# Altium PCB Grandmaster.PcbDoc (part 1 of 3) (continued)
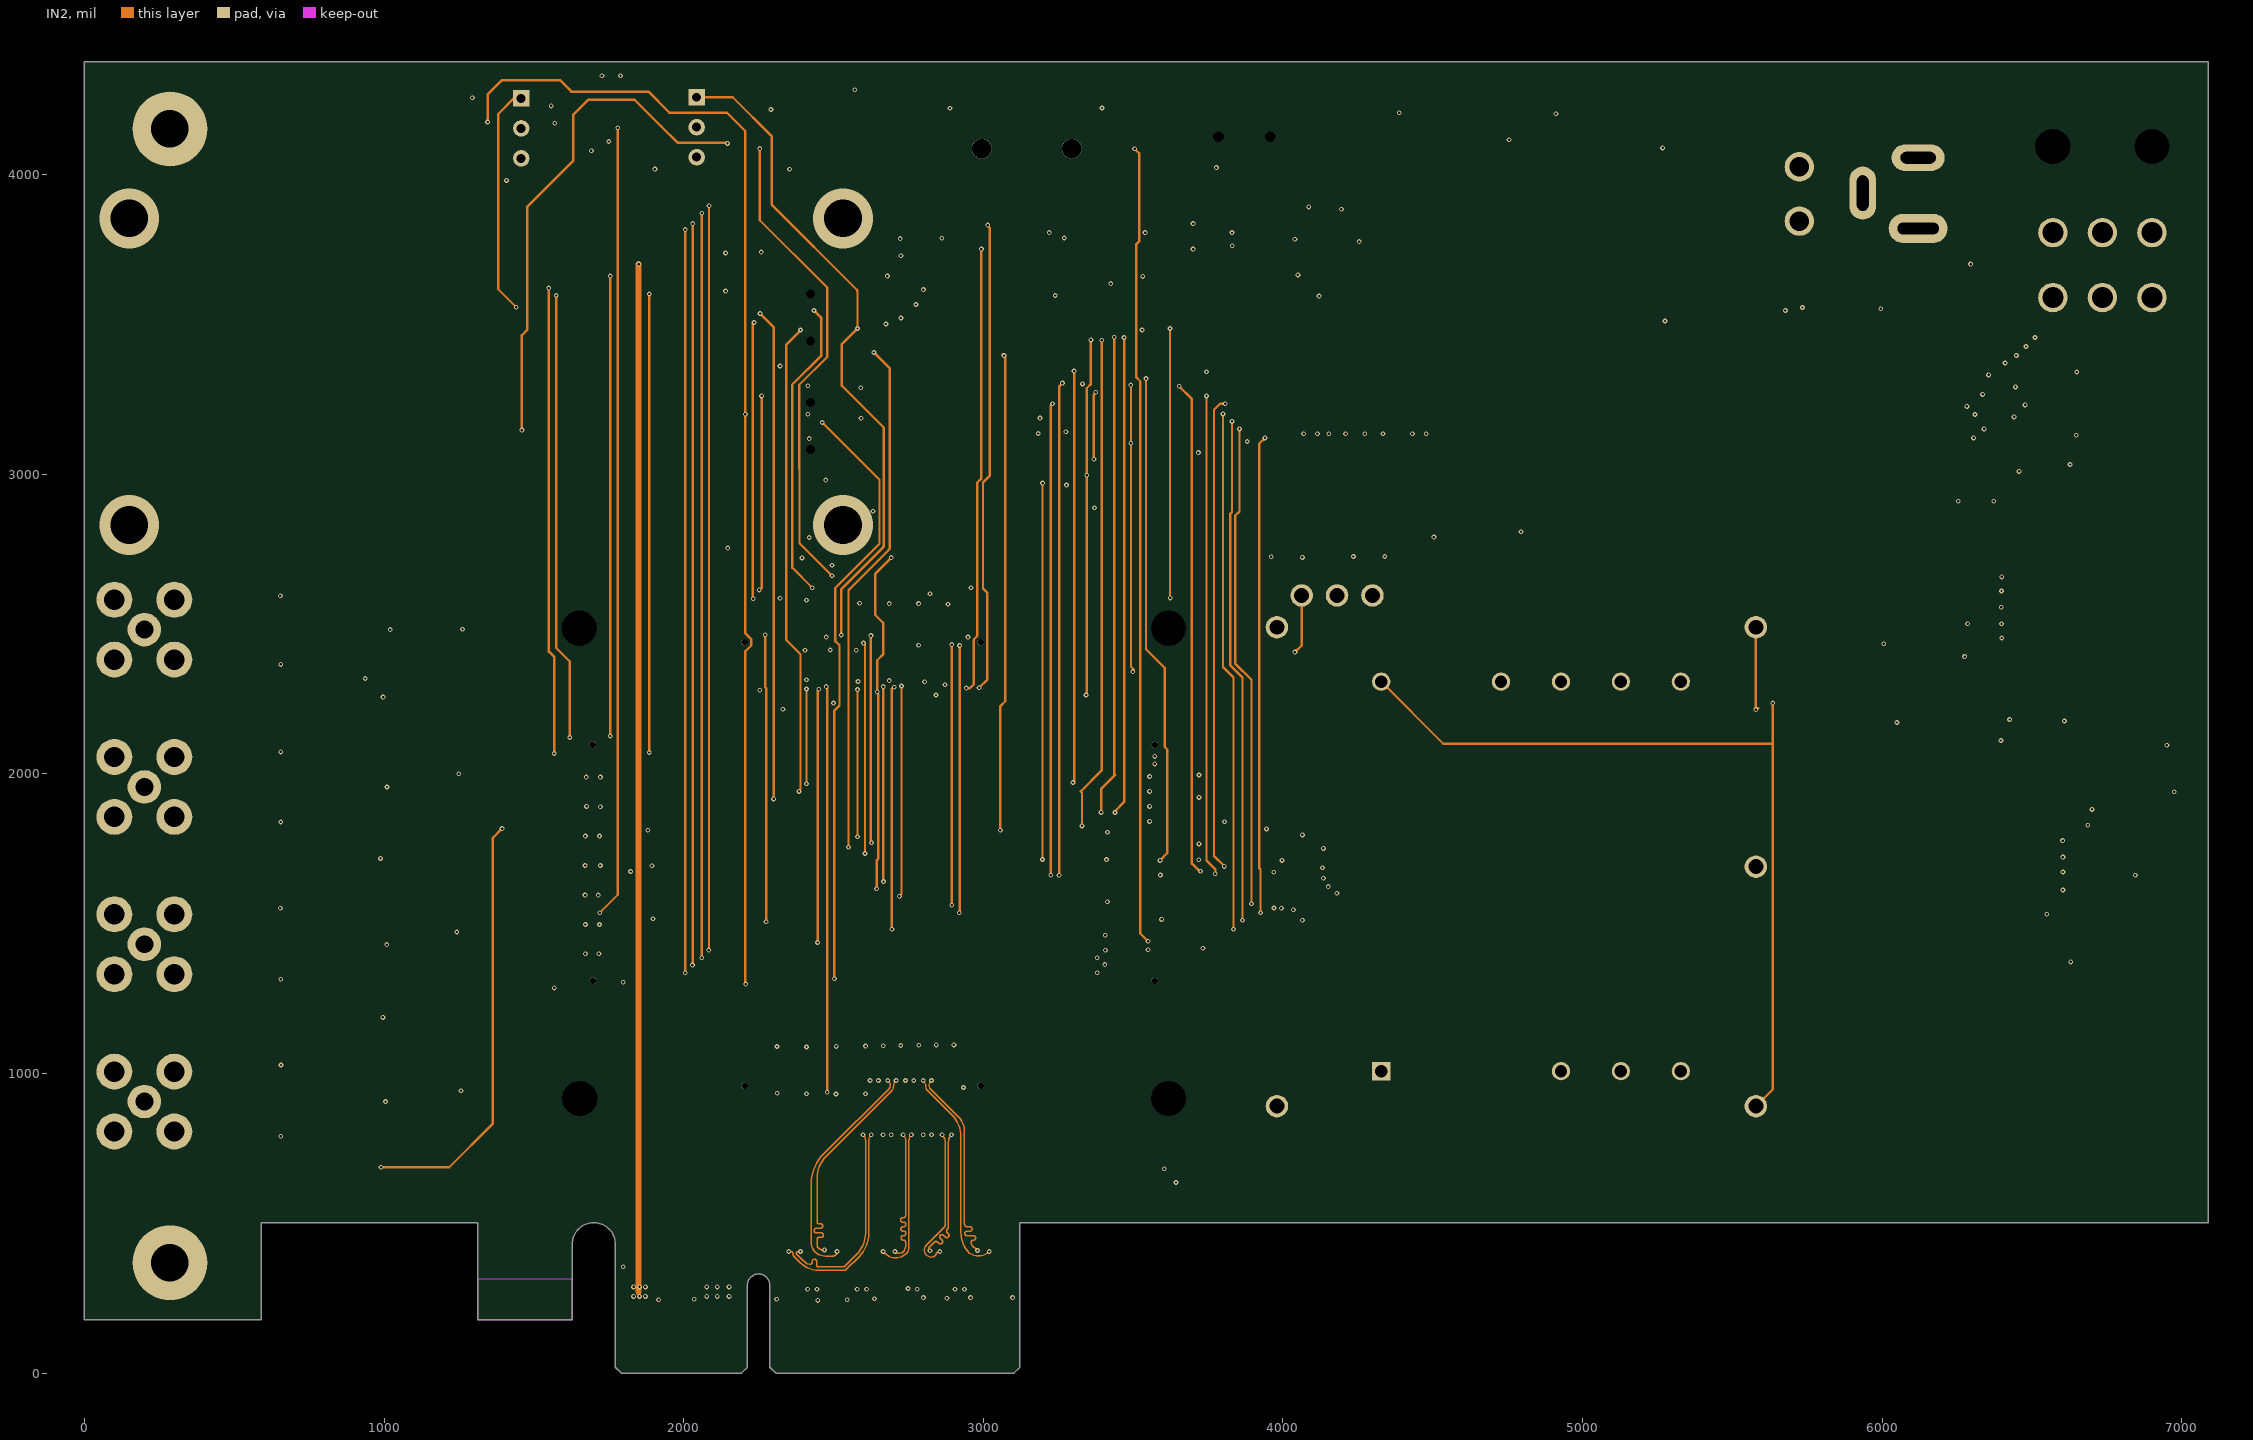
[diagram p4: IN2]
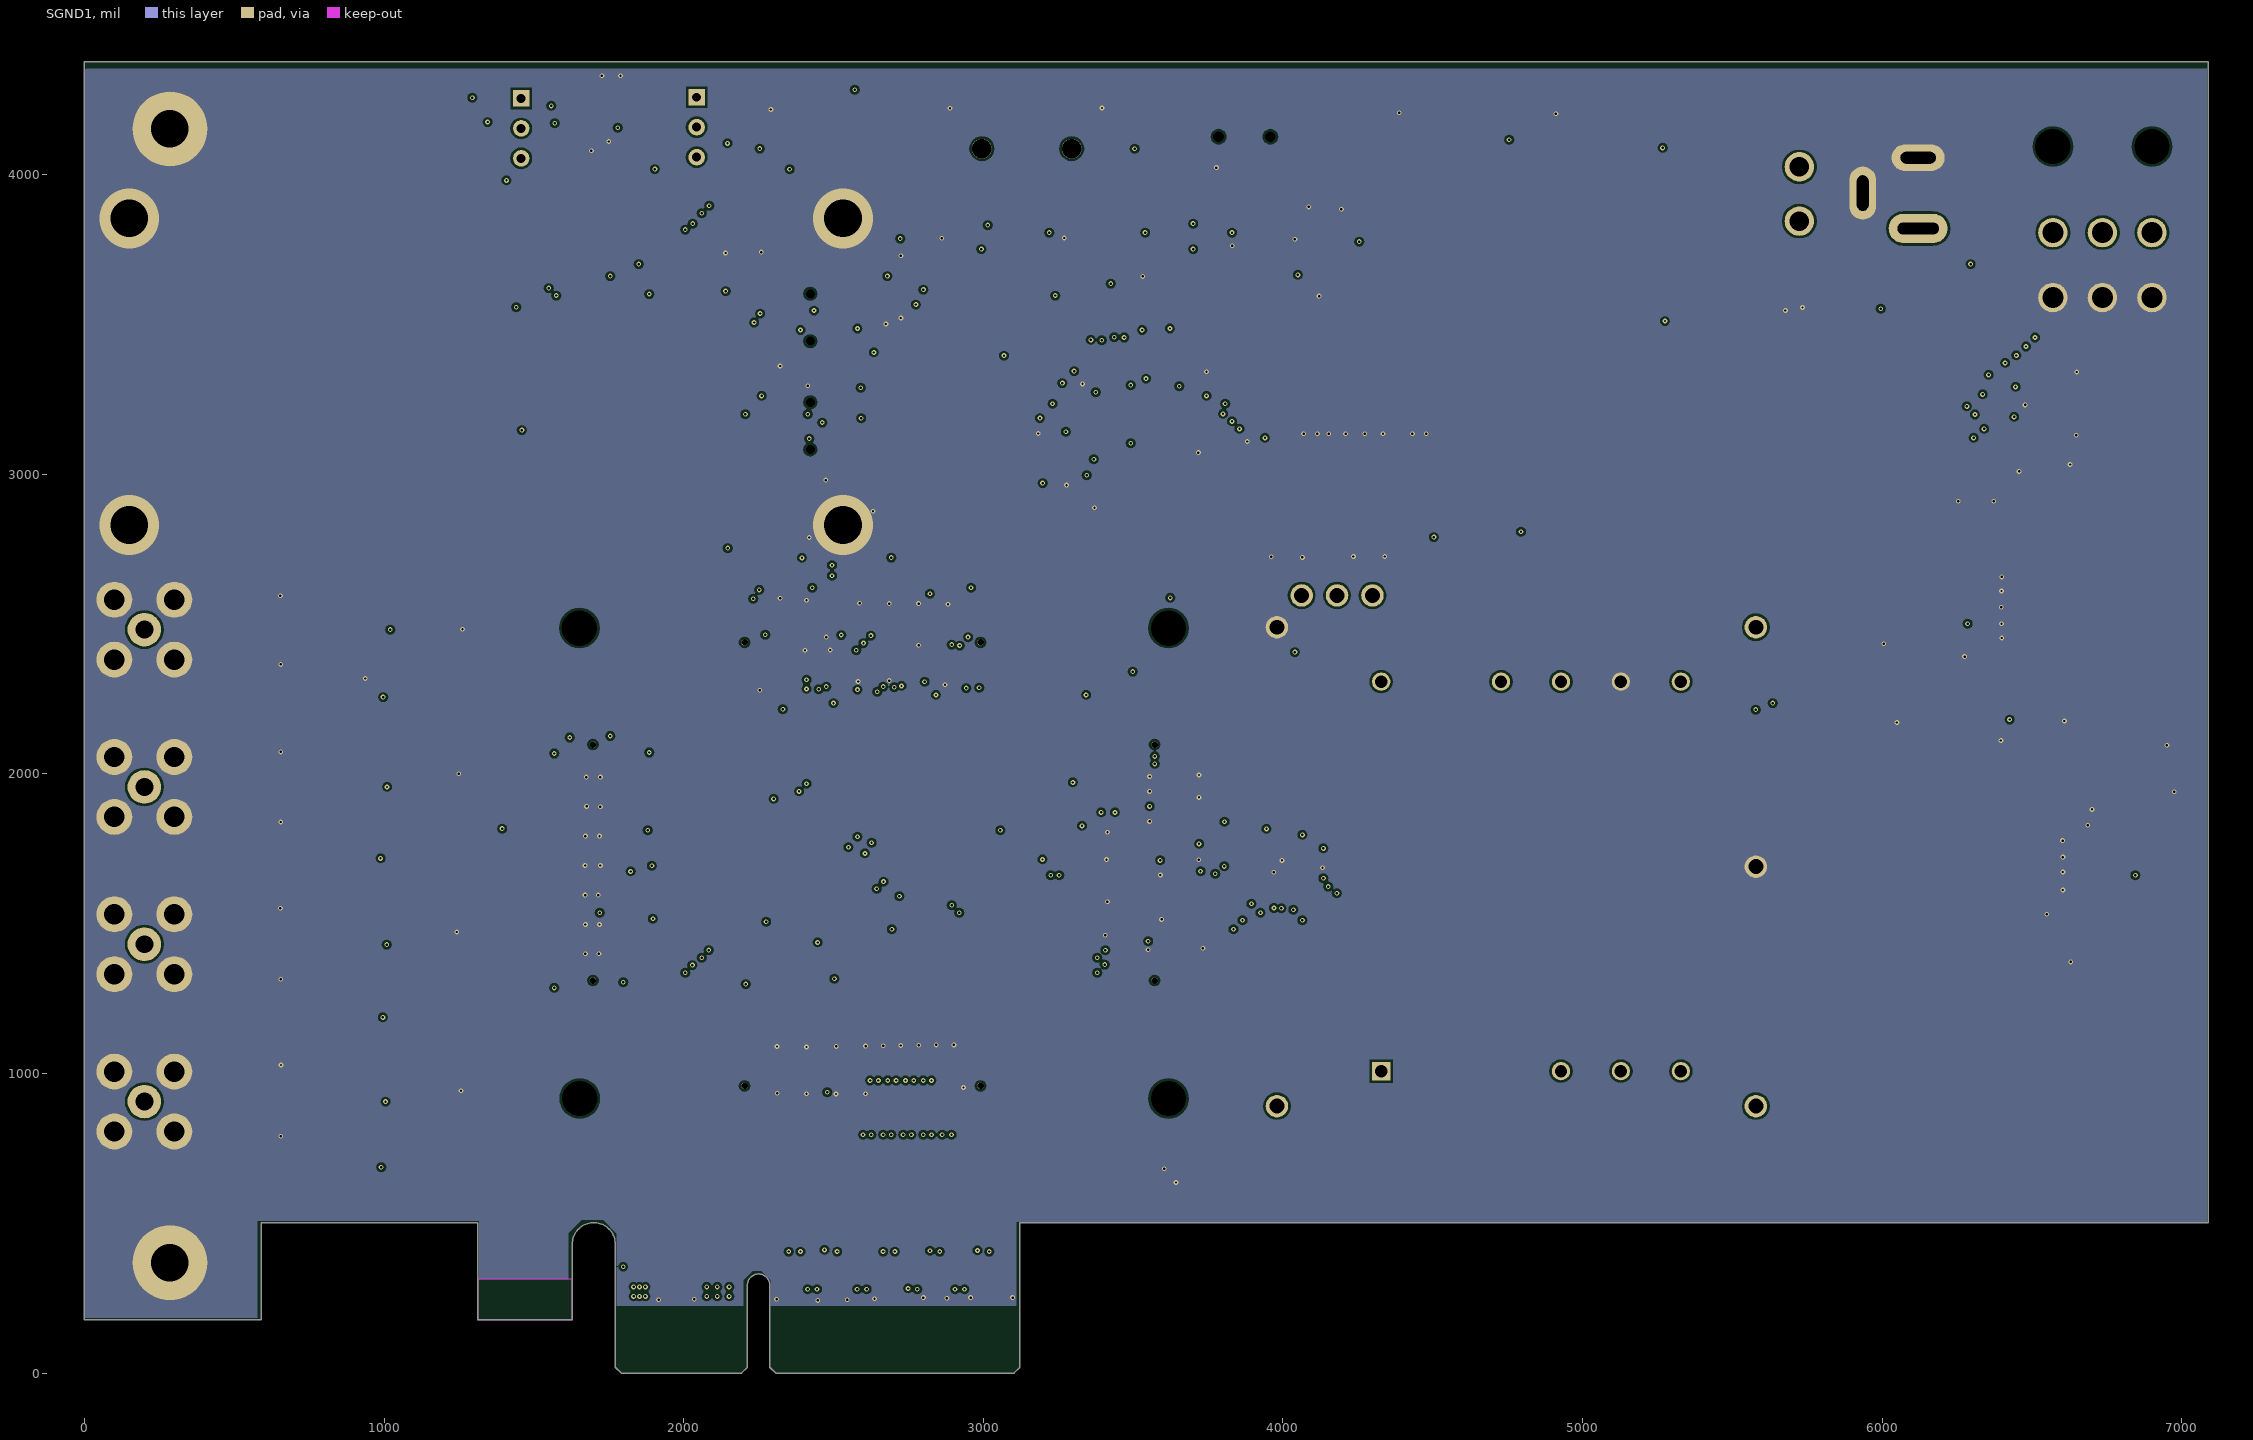
[diagram p5: SGND1]

## Layer stack, top to bottom
Top Solder: solder mask 0.4, Solder Resist, Dk 3.5
TOP: signal copper 1.2
Dielectric 1: core 8, FR-4, Dk 4.5
SGND: signal copper 1.2
Dielectric2: core 8, FR-4, Dk 4.5
IN1: signal copper 1.2
Dielectric3: core 8, FR-4, Dk 4.5
IN2: signal copper 1.2
Dielectric4: core 8, FR-4, Dk 4.5
SGND1: signal copper 1.2
Dielectric5: core 8, FR-4, Dk 4.5
BOTTOM: signal copper 1.2
Bottom Solder: solder mask 0.4, Solder Resist, Dk 3.5

## Board outline
590.55,177.17 590.55,501.97 1312.99,501.97 1312.99,177.17 1627.95,177.17 1627.95,430.12 cw(c1699.8,430.12) 1771.65,430.12 1771.65,19.69 1791.34,0 2192.91,0 2212.6,19.69 2212.6,293.31 cw(c2250,293.31) 2287.4,293.31 2287.4,19.69 2307.09,0 3102.36,0 3122.05,19.69 3122.05,501.97 7087.6,501.97 7087.6,4375.98 0,4375.98 0,177.17

## Design rules (kind name [scope] priority, off if disabled: settings)
Clearance Clearance_1 [OnLayer('Keep-Out Layer')] p1: gap=0 ignorepadtopadclearanceinfootprint=TRUE
Clearance [All] p2: gap=8 ignorepadtopadclearanceinfootprint=TRUE except(5: Arc-Arc Arc-Track Track-Track)
DiffPairsRouting [All] p1: maxlimit=100 minlimit=5 mostfreqgap=6 toplayer_minwidth=5 toplayer_maxwidth=5 toplayer_prefwidth=5 midlayer1_minwidth=5 midlayer1_maxwidth=5 midlayer1_prefwidth=5 midlayer2_minwidth=5 midlayer2_maxwidth=5 midlayer2_prefwidth=5 midlayer3_minwidth=5 midlayer3_maxwidth=5 midlayer3_prefwidth=5 midlayer4_minwidth=5 midlayer4_maxwidth=5 midlayer4_prefwidth=5 bottomlayer_minwidth=5 bottomlayer_maxwidth=5 bottomlayer_prefwidth=5 maxuncoupledlength=500
HoleSize [All] p1: absolutevalues=TRUE maxlimit=1000 minlimit=1 maxpercent=80.000 minpercent=20.000
MatchedLengths MatchedLengths_2 [InDifferentialPairClass('All Differential Pairs')] p1: tolerance=5 checknetsindiffpair=TRUE checkdiffpairvsdiffpair=FALSE checkxsignals=FALSE checkothers=FALSE
MatchedLengths MatchedLengths_1 [InDifferentialPair('PCIE_TX0')] p2: tolerance=100 checknetsindiffpair=FALSE checkdiffpairvsdiffpair=TRUE checkxsignals=TRUE checkothers=TRUE
MatchedLengths [InDifferentialPair('FPGA_CLK')] p3: tolerance=100 checknetsindiffpair=FALSE checkdiffpairvsdiffpair=TRUE checkxsignals=TRUE checkothers=TRUE
MinimumSolderMaskSliver [All] p1 off: minsoldermaskwidth=1
PolygonConnect [All] p1: connectstyle=Direct reliefconductorwidth=10 reliefentries=4 polygonreliefangle="90 Angle" airgapwidth=8
RoutingVias [All] p1: holewidth=8 width=16 viastyle="Through Hole" minholewidth=5 minwidth=12 maxholewidth=28 maxwidth=50
SilkToSolderMaskClearance [IsPad] p1 off: minsilkscreentomaskgap=10 clearancetoexposedcopper=TRUE
SolderMaskExpansion [All] p1: expansion=4 istentingtop=FALSE
Width [All] p1: maxlimit=40 minlimit=3 preferedwidth=8
26 further rules are at their usual default settings.

## Classes and differential pairs
component class PCIe-JTAG: C44 C45 C46 C47 C48 C49 C50 C51 C52 C53 D5 D6 D7 D8 P2 R18 R19 R20 R21 R22 R23 R24 U5
component class GPS-IMU: C56 C57 C58 C59 C60 C61 C85 C86 C87 C88 C89 C90 C91 C92 IC? J4 JP1 JP2 R10 R11 R12 R13 R43 U8 U9 U16 X1
component class FPGA: P1
component class MAC: BT1 C62 C63 C65 C66 C67 C72 C73 C74 C75 C76 C77 C78 C79 C80 C81 C82 C83 C84 FB2 FB3 R17 R42 U3 U10 U10AL U11 U13
component class UART: AN1 AN2 AN3 AN4 AN5 AN6 AN7 AN8 C54 C55 D9 D10 D11 D12 D13 D14 D15 D16 D17 D18 J3 R14 R15 R16 R25 R26 R27 R28 R29 R30 R31 R32 R33 R34 R35 R36 S5 S6 U6
component class "Power Supplies": C1 C2 C3 C4 C5 C6 C7 C8 C9 C10 C11 C12 C13 C14 C15 C16 C17 C18 C19 C20 C21 C22 D1 D2 D3 D4 F1 J1 J2 L1 L2 R1 R2 R3 R4 R5 R6 R7 R8 R9 SW1 U1 U2
differential pair PCIE_TX3: +PCIE_TX3_P -PCIE_TX3_N
differential pair PCIE_TX2: +PCIE_TX2_P -PCIE_TX2_N
differential pair PCIE_TX1: +PCIE_TX1_P -PCIE_TX1_N
differential pair PCIE_TX0: +PCIE_TX0_P -PCIE_TX0_N
differential pair PCIE_RX3: +PCIE_RX3_P -PCIE_RX3_N
differential pair PCIE_RX2: +PCIE_RX2_P -PCIE_RX2_N
differential pair PCIE_RX1: +PCIE_RX1_P -PCIE_RX1_N
differential pair PCIE_RX0: +PCIE_RX0_P -PCIE_RX0_N
differential pair PCIE_CLK: +PCIE_CLK_P -PCIE_CLK_N

## Components (designator, comment, footprint, x,y, rotation, side; value= is the part's Value field where it differs from the comment)
AN1 "RF-901-143-6FRX" AMPHENOL-901-143-6RFX 199.84,2481.06 r180 top value=SMA
AN2 "RF-901-143-6FRX" AMPHENOL-901-143-6RFX 199.84,1956.06 r180 top value=SMA
AN3 "RF-901-143-6FRX" AMPHENOL-901-143-6RFX 199.84,1431.06 r180 top value=SMA
AN4 "RF-901-143-6FRX" AMPHENOL-901-143-6RFX 199.84,906.06 r180 top value=SMA
AN5 "1909763-1" "U.FL UMCC JACK" 654.84,1956.06 r270 top value=UMCC
AN6 "1909763-1" "U.FL UMCC JACK" 654.84,2481.06 r270 top value=UMCC
AN7 "1909763-1" "U.FL UMCC JACK" 654.84,1431.06 r270 top value=UMCC
AN8 "1909763-1" "U.FL UMCC JACK" 654.84,906.06 r270 top value=UMCC
BT1 "BU2032SM-BT-GTR" FP-BU2032SM-BT-GTR-MFG 4909.45,3384.84 r90 top
C1 "CAP_0805_10UF_25V" CAPC2012X14N 5776.57,3361.22 r180 top value=10uF
C2 "CAP_0402_0.1UF_50V" CAPC1005X06N 5651.38,3359.25 r0 top value=0.1UF
C3 "CAP_0603_0.01UF_50V" CAPC1608X10N 6469.84,2271.06 r90 top value=0.01uF
C4 "CAP_0603_0.01UF_50V" CAPC1608X10N 6519.84,1986.06 r270 top value=0.01uF
C5 "CAP_0805_10UF_25V" CAPC2012X14N 6334.84,2146.06 r270 top value=10uF
C6 "CAP_0805_10UF_25V" CAPC2012X14N 6659.84,2131.06 r90 top value=10uF
C7 "CAP_0805_10UF_25V" CAPC2012X14N 6253.94,2791.34 r90 top value=10uF
C8 "CAP_0805_10UF_25V" CAPC2012X14N 6372.05,2791.34 r90 top value=10uF
C9 "CAP_0402_0.1UF_50V" CAPC1005X06N 6344.84,2656.06 r0 top value=0.1UF
C10 "CAP_0402_0.1UF_50V" CAPC1005X06N 6344.84,2501.06 r0 top value=0.1UF
C11 "CAP_0402_0.1UF_50V" CAPC1005X06N 6344.84,2556.06 r0 top value=0.1UF
C12 "CAP_0402_0.1UF_50V" CAPC1005X06N 6344.84,2611.06 r0 top value=0.1UF
C13 "CAP_0805_10UF_25V" CAPC2012X14N 6664.84,1421.06 r180 top value=10uF
C14 "CAP_0805_10UF_25V" CAPC2012X14N 6664.84,1531.06 r180 top value=10uF
C15 "CAP_0402_0.1UF_50V" CAPC1005X06N 6659.84,1611.06 r180 top value=0.1UF
C16 "CAP_0402_0.1UF_50V" CAPC1005X06N 6659.84,1671.06 r180 top value=0.1UF
C17 "CAP_0402_0.1UF_50V" CAPC1005X06N 6659.84,1721.06 r180 top value=0.1UF
C18 "CAP_0402_0.1UF_50V" CAPC1005X06N 6659.84,1776.06 r180 top value=0.1UF
C19 "CAP_0603_0.1UF_50V" CAPC1608X10N 6874.84,2096.06 r180 top value=0.1uF
C20 "CGA2B3X5R1H333K050BB" CAPC1005X06N 6939.84,1906.06 r270 top value=0.033UF
C21 "CAP_0603_0.1UF_50V" CAPC1608X10N 6124.84,2171.06 r0 top value=0.1uF
C22 "CGA2B3X5R1H333K050BB" CAPC1005X06N 6064.84,2361.06 r90 top value=0.033UF
C44 "CAP_0402_0.1UF_50V" CAPC1005X06N 2349.84,346.06 r90 bottom value=0.1UF
C45 "CAP_0402_0.1UF_50V" CAPC1005X06N 2389.84,346.06 r90 bottom value=0.1UF
C46 "CAP_0402_0.1UF_50V" CAPC1005X06N 2468.84,346.06 r90 bottom value=0.1UF
C47 "CAP_0402_0.1UF_50V" CAPC1005X06N 2511.84,346.06 r90 bottom value=0.1UF
C48 "CAP_0402_0.1UF_50V" CAPC1005X06N 2664.84,346.06 r90 bottom value=0.1UF
C49 "CAP_0402_0.1UF_50V" CAPC1005X06N 2704.84,346.06 r90 bottom value=0.1UF
C50 "CAP_0402_0.1UF_50V" CAPC1005X06N 2819.84,346.06 r90 bottom value=0.1UF
C51 "CAP_0402_0.1UF_50V" CAPC1005X06N 2854.84,346.06 r90 bottom value=0.1UF
C52 "CAP_0402_0.1UF_50V" CAPC1005X06N 2979.84,346.06 r90 bottom value=0.1UF
C53 "CAP_0402_0.1UF_50V" CAPC1005X06N 3019.84,346.06 r90 bottom value=0.1UF
C54 "CAP_0805_1UF_25V" CAPC2012X14N 4104.84,3806.06 r270 top value=1.0UF
C55 "GRT188R61E106ME13D" CAPC1608X10N 4194.84,3806.06 r270 top value=10.UF
C56 "CAP_0805_10UF_25V" CAPC2012X14N 6474.84,3071.06 r180 top value=10uF
C57 "CAP_0402_0.1UF_50V" CAPC1005X06N 6584.84,3056.06 r270 top value=0.1UF
C58 "CAP_0805_10UF_25V" CAPC2012X14N 2209.84,3681.06 r90 top value=10uF
C59 "CAP_0402_0.1UF_50V" CAPC1005X06N 2139.84,3681.06 r90 top value=0.1UF
C60 "CAP_0805_10UF_25V" CAPC2012X14N 2639.84,3571.06 r270 top value=10uF
C61 "CAP_0402_0.1UF_50V" CAPC1005X06N 2724.84,3576.06 r270 top value=0.1UF
C62 "CAP_0805_10UF_25V" CAPC2012X14N 3694.84,726.06 r180 top value=10uF
C63 "CAP_0402_0.1UF_50V" CAPC1005X06N 3699.84,636.06 r180 top value=0.1UF
C65 "CAP_0805_1UF_50V" CAPC2012X14N 3693.84,3153.06 r90 top value=1.0UF
C66 "CAP_0402_0.1UF_50V" CAPC1005X06N 3769.84,3218.06 r90 top value=0.1UF
C67 "CAP_0603_0.01UF_50V" CAPC1608X10N 3688.84,3298.06 r270 top value=0.01uF
C72 "CAP_0805_22UF_16V" CAPC2012X14N 4339.84,2816.06 r90 top value=22uF
C73 "CAP_0805_22UF_16V" CAPC2012X14N 4234.84,2816.06 r90 top value=22uF
C74 "CAP_0805_22UF_16V" CAPC2012X14N 3959.84,2816.06 r90 top value=22uF
C75 "CAP_0805_22UF_16V" CAPC2012X14N 4064.84,2816.06 r90 top value=22uF
C76 "CAP_0603_0.01UF_50V" CAPC1608X10N 4039.84,3061.06 r270 top value=0.01uF
C77 "CAP_0402_0.1UF_50V" CAPC1005X06N 4109.84,3061.06 r270 top value=0.1UF
C78 "CAP_0402_0.1UF_50V" CAPC1005X06N 4164.84,3061.06 r270 top value=0.1UF
C79 "CAP_0402_0.1UF_50V" CAPC1005X06N 4219.84,3061.06 r270 top value=0.1UF
C80 "CAP_0402_0.1UF_50V" CAPC1005X06N 4274.84,3061.06 r270 top value=0.1UF
C81 "CAP_0402_0.1UF_50V" CAPC1005X06N 4334.84,3061.06 r270 top value=0.1UF
C82 "CAP_0402_0.1UF_50V" CAPC1005X06N 4394.84,3061.06 r270 top value=0.1UF
C83 "CAP_0402_0.1UF_50V" CAPC1005X06N 4454.84,3061.06 r270 top value=0.1UF
C84 "CAP_0805_1UF_50V" CAPC2012X14N 4244.84,3246.06 r0 top value=1.0UF
C85 "CAP_0603_22PF_50V" CAPC1608X10N 6604.84,3161.06 r90 top value=22pF
C86 "CAP_0603_22PF_50V" CAPC1608X10N 6604.84,3296.06 r270 top value=22pF
C87 "CAP_0805_10UF_25V" CAPC2012X14N 2362.84,2944.06 r0 bottom value=10uF
C88 "CAP_0402_0.1UF_50V" CAPC1005X06N 2368.84,2854.06 r0 bottom value=0.1UF
C89 "CAP_0805_10UF_25V" CAPC2012X14N 2632.84,3007.06 r270 bottom value=10uF
C90 "CAP_0402_0.1UF_50V" CAPC1005X06N 2711.84,3020.06 r270 bottom value=0.1UF
C91 "CAP_0805_1UF_25V" CAPC2012X14N 1837.84,4276.06 r0 top value=1.0UF
C92 "GRT188R61E106ME13D" CAPC1608X10N 1695.84,4273.06 r180 top value=10.UF
D1 "DFLZ39-TP" SODFL370X135-2N 5959.84,3701.06 r0 top value=DFLZ39
D2 "DFLZ39-TP" SODFL370X135-2N 6274.84,3566.06 r0 top value=DFLZ39
D3 "DFLZ39-TP" SODFL370X135-2N 6269.84,3701.06 r0 top value=DFLZ39
D4 "RED" DIOM1608X06N 4304.13,3603.35 r0 top
D5 "BAT54SW" SOT65P210X110-3N 2834.84,3706.06 r270 top
D6 "BAT54SW" SOT65P210X110-3N 2719.84,3706.06 r270 top
D7 "BAT54SW" SOT65P210X110-3N 3244.84,3706.06 r270 top
D8 "BAT54SW" SOT65P210X110-3N 3469.84,3706.06 r270 top
D9 "RED" DIOM1608X06N 3589.84,3881.06 r270 top
D10 "RED" DIOM1608X06N 3589.84,3756.06 r90 top
D11 "RED" DIOM1608X06N 644.84,4226.06 r90 top
D12 "RED" DIOM1608X06N 846.51,4226.06 r90 top
D13 "RED" DIOM1608X06N 1048.18,4226.06 r90 top
D14 "RED" DIOM1608X06N 1249.84,4226.06 r90 top
D15 "SMCJ6.5CA" DIOM6959X26N 1044.84,1956.06 r180 top value=SMCJ6.5
D16 "SMCJ6.5CA" DIOM6959X26N 1044.84,2481.06 r180 top value=SMCJ6.5
D17 "SMCJ6.5CA" DIOM6959X26N 1044.84,1431.06 r180 top value=SMCJ6.5
D18 "SMCJ6.5CA" DIOM6959X26N 1044.84,906.06 r180 top value=SMCJ6.5
F1 "FUSE_0603_2.00A" FUSM1608X60N 6062.84,3556.06 r180 top value=2.00A
FB2 "MPZ1608_220OHM_0603" INDC1608X09N 4434.84,2816.06 r90 top value="220 OHM"
FB3 "MPZ1608_220OHM_0603" INDC1608X09N 4149.84,2816.06 r90 top value="220 OHM"
IC? "BMP388" BMP388 3239.17,2814.96 r0 top
J1 "PJ-002A" CUI_PJ-002A 6119.84,3819.84 r90 top
J2 "39-30-1060" 39-30-1060 6569.49,3589.53 r180 top value=2X3
J3 "USB_B_1734035" USB_1734035 3934.45,4023.7 r180 top value="USB MINI B"
J4 "473461001" USB_47346-1001 2383.75,4170.34 r180 top value="USB MICRO B"
JP1 "JUMPER_3PIN" 3PINV-100 1457.68,4253.94 r270 top value=1X3
JP2 "JUMPER_3PIN" 3PINV-100 2043.31,4257.87 r270 top value=1X3
L1 "PM124SH-100M-RC" IND_PM124SH 6319.84,1651.06 r90 top value=10.uH
L2 "PM124SH-100M-RC" IND_PM124SH 6679.84,2611.06 r270 top value=10.uH
P1 "MOD, FPGA, AC7100" ALINX_FPGA 2608.43,1699.54 r0 top locked
P2 "PCIex4" PCIE_4LANE_EDGE 2446.85,245.04 r0 top
R1 "ERJ-3EKF2000V" RESC1608X50N 4177.76,3603.35 r0 top value="200 OHM"
R2 "ERJ-3EKF4702V" RESC1608X50N 6749.84,2116.06 r90 top value=47K
R3 "ERJ-3EKF4702V" RESC1608X50N 6234.84,2156.06 r270 top value=47K
R4 "ERJ-3EKF4702V" RESC1608X50N 6869.84,1816.06 r0 top value=47K
R5 "ERJ-3EKF2612V" RESC1608X50N 6122.84,2461.06 r90 top value=26.1K
R6 "ERJ-3EKF1002V" RESC1608X50N 6754.84,1816.06 r0 top value=10K
R7 "ERJ-3EKF1002V" RESC1608X50N 6339.84,2451.06 r180 top value=10K
R8 "ERJ-3EKF2201V" RESC1608X50N 7009.84,1911.06 r270 top value=2.2K
R9 "ERJ-3EKF2201V" RESC1608X50N 6004.84,2366.06 r270 top value=2.2K
R10 "GPS2TX" J1-0603 1346.46,4112.2 r270 top value="0 Ohm"
R11 "MACTX" J1-0603 1346.46,4007.87 r90 top value="0 Ohm"
R12 "GPS2RX" J1-0603 2151.57,4045.28 r270 top value="0 Ohm"
R13 "MACRX" J1-0603 2212.6,4045.28 r270 top value="0 Ohm"
R14 "MACPPSI" J1-0603 937.99,2284.45 r180 top value="0 Ohm"
R15 "MACPPSO" J1-0603 930.12,1747.05 r180 top value="0 Ohm"
R16 "MAC10M" J1-0603 934.06,1224.41 r180 top value="0 Ohm"
R17 "MACPPS" J1-0603 2387.8,2929.13 r270 top value="0 Ohm"
R18 "CRCW080533R0FKEA" RESC2012X50N 2944.84,3706.06 r90 top value="33 OHM"
R19 "CRCW080533R0FKEA" RESC2012X50N 3044.84,3706.06 r90 top value="33 OHM"
R20 "CRCW080533R0FKEA" RESC2012X50N 3144.84,3706.06 r90 top value="33 OHM"
R21 "CRCW080533R0FKEA" RESC2012X50N 3349.84,3706.06 r90 top value="33 OHM"
R22 "ERJ-3EKF4701V" RESC1608X50N 2146.84,2652.06 r90 top value=4.7K
R23 "ERJ-2GE0R00X" RESC1005X04N 2503.94,590.55 r270 top value="0 OHM"
R24 "ERJ-2GE0R00X" RESC1005X04N 3055.12,590.55 r270 top value="0 OHM"
R25 "ERJ-2RKF4990X" RESC1005X04N 3684.84,3861.06 r180 top value="499. OHM"
R26 "ERJ-2RKF4990X" RESC1005X04N 3684.84,3786.06 r180 top value="499. OHM"
R27 "ERJ-3EKF1002V" RESC1608X50N 4139.84,3701.06 r180 top value=10K
R28 "ERJ-3EKF2000V" RESC1608X50N 638.97,4066.06 r90 top value="200 OHM"
R29 "ERJ-3EKF2000V" RESC1608X50N 840.64,4066.06 r90 top value="200 OHM"
R30 "ERJ-3EKF2000V" RESC1608X50N 1042.3,4066.06 r90 top value="200 OHM"
R31 "ERJ-3EKF2000V" RESC1608X50N 1243.97,4066.06 r90 top value="200 OHM"
R32 "ERJ-3EKF1002V" RESC1608X50N 4679.84,4206.06 r0 top value=10K
R33 "ERJ-3EKF1002V" RESC1608X50N 5239.84,4206.06 r0 top value=10K
R34 "ERJ-3EKF1001V" RESC1608X50N 4679.84,4121.06 r180 top value=1.0K
R35 "ERJ-3EKF1001V" RESC1608X50N 5239.84,4126.06 r180 top value=1.0K
R36 "MAC10M" J1-0603 931.1,718.5 r180 top value="0 Ohm"
R42 "ERJ-3EKF1002V" RESC1608X50N 3504.84,2797.06 r0 top value=10K
R43 "ERJ-3EKF1002V" RESC1608X50N 1933.84,4102.06 r270 top value=10K
S5 "B3U-1000P" OMRON-B3U-1000P 4499.84,4206.06 r0 top value=SPST-NO
S6 "B3U-1000P" OMRON-B3U-1000P 5024.84,4206.06 r0 top value=SPST-NO
SW1 "L101011MS02Q" L101011MS02Q 5611.22,3844.49 r180 top value=SW-SPST
U1 "MP1482DS-LF" SOIC127P600X175-8N 6734.84,1956.06 r0 top value=MP1482DS
U2 "MP1482DS-LF" SOIC127P600X175-8N 6254.84,2316.06 r180 top value=MP1482DS
U3 "DS3231SN" W16-H2_L 2934.06,3112.2 r0 top
U5 "HTST-105-01-L-DV-A" SAMTEC_HTST-105-01-L-DV-A 3144.84,4086.1 r0 top value=2X5
U6 "FT230XS-R" SOP64P600X170-16N 3879.84,3771.06 r0 top value=FT230XS
U8 "BNO080" LGA-28 6449.84,3241.06 r270 top
U9 "RCB-F9T" RCB-F9T 2662.89,2716.73 r90 top locked
U10 "MAC-SA5X" MAC-SA5X 3778.94,2689.83 r270 top value=RV-3049-C3
U10AL "SA.45s" MCSM-090-02984-00X 4827.76,1657.48 r90 top
U11 "SiT5721AI-KWA33-T-10.000000" SIT5721 3451.22,3300.71 r270 top value=10MHZ
U13 "SiT5356AI-FQA33-IT-10.000000" SiT5155 3484.84,2972.06 r0 top value=10MHZ
U14 "RCB-F9T" RCB-F9T 2662.89,3966.86 r270 bottom
U16 "FT230XS-R" SOP64P600X170-16N 1738.84,4112.06 r0 top value=FT230XS